# KiCad board Oblique Palette 0.5.1 PCB Main.kicad_pcb (continued)
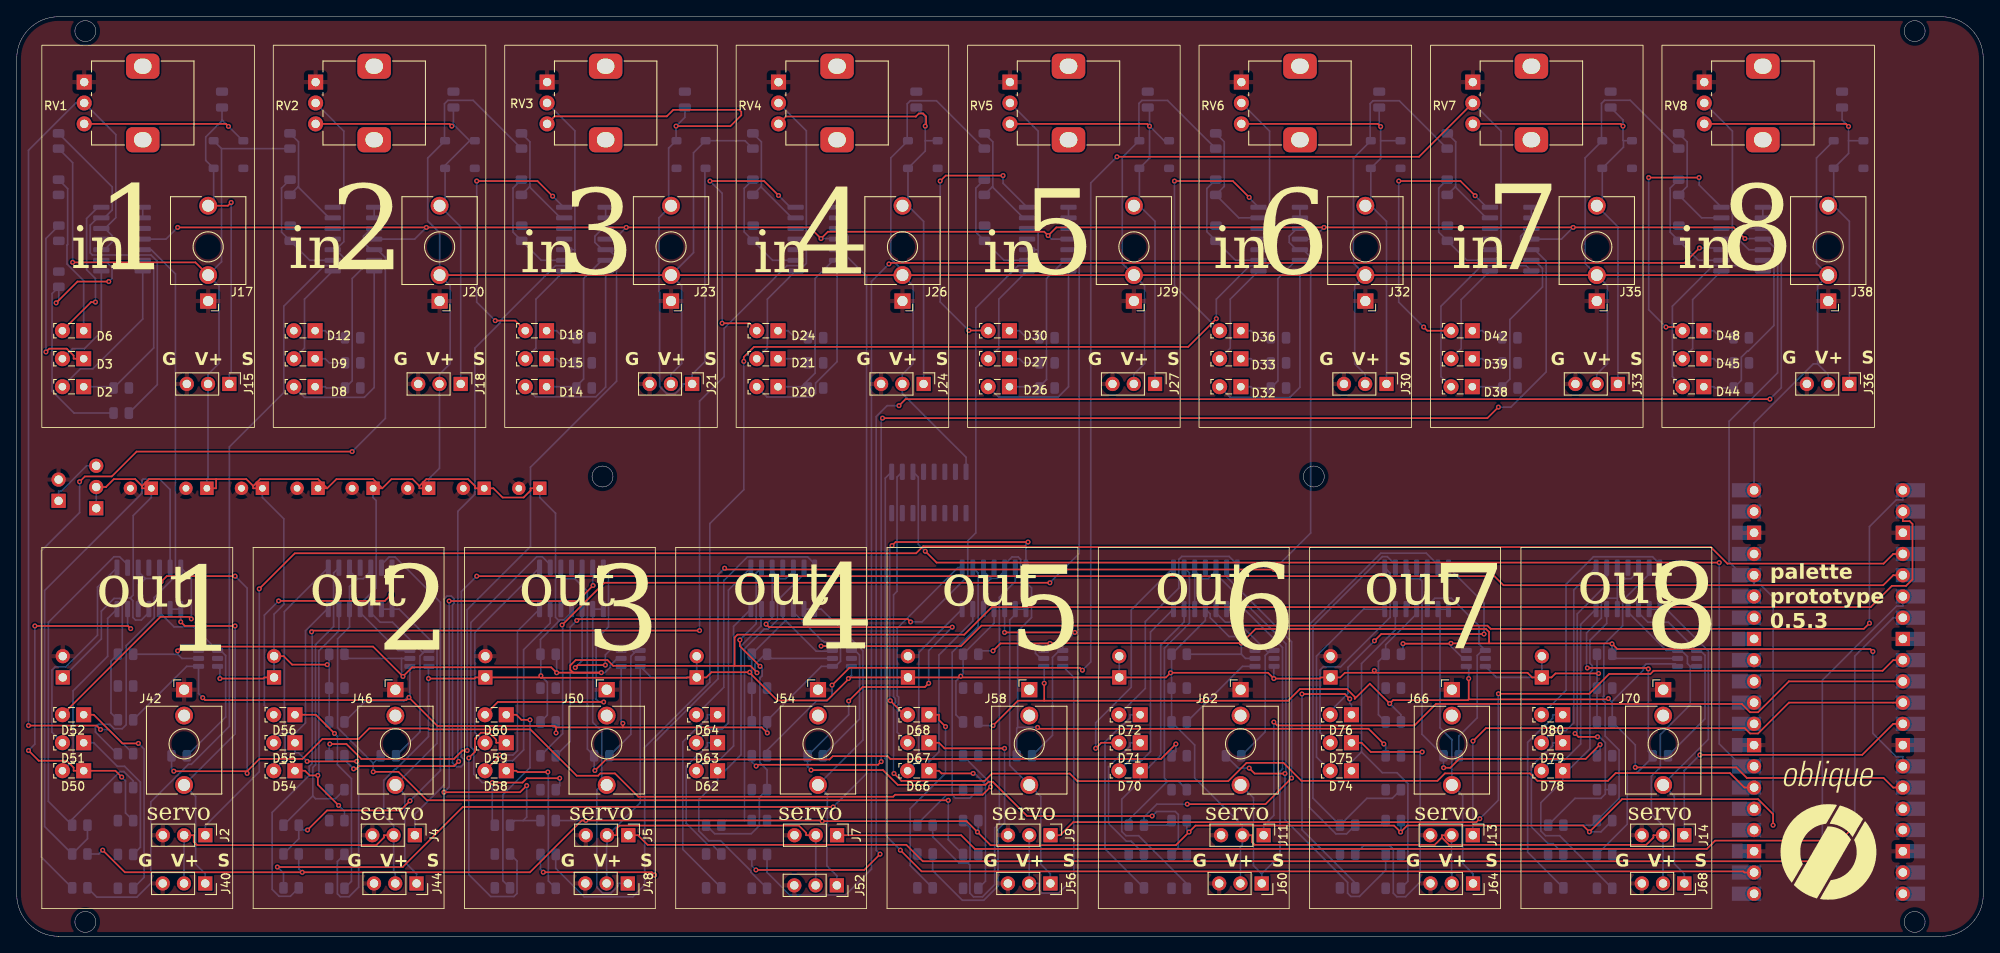
[diagram p0: board, top side]
## Library data of the parts
C1-C8 = -: Description: Polarized capacitor, small symbol; ki_fp_filters: CP_*
C9-C16 = -: Description: Unpolarized capacitor; ki_fp_filters: C_*
D2 D3 D6 D8 D9 D12 D14 D15 D18 D20 D21 D24 D26 D27 D30 D32 D33 D36 D38 D39 D42 D44 D45 D48 D50-D52 D54-D56 D58-D60 D62-D64 D66-D68 D70-D72 D74-D76 D78-D80 = -: Datasheet: http://www.osram-os.com/Graphics/XPic0/00203825_0.pdf; Description: 850nm High Power Infrared Emitter, Side-Emitter package; ki_fp_filters: LED*SideEmitter*Rectangular*W4.5mm*H1.6mm*
D4 D5 D10 D11 D16 D17 D22 D23 D28 D29 D34 D35 D40 D41 D46 D47 = -: Description: Diode; Sim.Device: D; Sim.Pins: 1=K 2=A; ki_fp_filters: TO-???* *_Diode_* *SingleDiode* D_*
J2 J4 J5 J7 J9 J11 J13-J15 J18 J21 J24 J27 J30 J33 J36 J40 J44 J48 J52 J56 J60 J64 J68 J71 = -: Description: Generic connector, single row, 01x03, script generated; ki_fp_filters: Connector*:*_1x??_*
J17 J20 J23 J26 J29 J32 J35 J38 J42 J46 J50 J54 J58 J62 J66 J70 = -: Description: Audio Jack, 2 Poles (Mono / TS), Switched T Pole (Normalling); ki_fp_filters: Jack*
J39 J43 J47 J51 J55 J59 J63 J67 J72 = -: Description: Generic connector, single row, 01x02, script generated; ki_fp_filters: Connector*:*_1x??_*
R3-R8 R11-R16 R19-R24 R27-R32 R35-R40 R43-R48 R51-R56 R59-R159 R168 = -: Description: Resistor; ki_fp_filters: R_*
RV1-RV8 = -: Description: Potentiometer with a mounting pin; ki_fp_filters: Potentiometer*
U1 = -: Datasheet: http://www.ti.com/lit/ds/symlink/cd4052b.pdf; Description: CMOS single 8-channel analog multiplexer demultiplexer, TSSOP-16/DIP-16/SOIC-16; ki_fp_filters: TSSOP*4.4x5mm*P0.65mm* DIP*W7.62* SOIC*3.9x9.9mm*P1.27mm* SO*5.3x10.2mm*P1.27mm*
U3-U10 U12 U14 U16 U18 U20 U22 U24 U26 = -: Datasheet: http://ww1.microchip.com/downloads/en/DeviceDoc/21733j.pdf; Description: 1MHz, Low-Power Op Amp, DIP-14/SOIC-14/TSSOP-14; ki_fp_filters: SOIC*3.9x8.7mm*P1.27mm* DIP*W7.62mm* TSSOP*4.4x5mm*P0.65mm* SSOP*5.3x6.2mm*P0.65mm* MSOP*3x3mm*P0.5mm*
U11 U13 U15 U17 U19 U21 U23 U25 = -: Datasheet: http://ww1.microchip.com/downloads/en/DeviceDoc/22039d.pdf; Description: 12-bit Digital-to-Analog Converter, integrated EEPROM, I2C interface, SOT-23-6; ki_fp_filters: SOT?23*

## Footprints (pads in the part's own frame, mm; a bottom-side part is the same pattern mirrored in y, then rotated)
C_0805_2012Metric
  rrect 1x1.45 smd: 1(-0.95,0) 2(0.95,0)
CP_Radial_D5.0mm_P2.50mm
  rect 1.6x1.6 hole 0.8: 1(0,0)
  round 1.6 hole 0.8: 2(2.5,0)
D_SOD-123
  rrect 0.9x1.2 smd: 1(-1.65,0) 2(1.65,0)
Jack_3.5mm_QingPu_WQP-PJ398SM_Vertical_CircularHoles
  rect 1.93x1.83 hole 1.22: S(0,0)
  round 2.13 hole 1.43: T(0,-11.4)
  round 2.13 hole 1.42: TN(0,-3.1)
LED_SideEmitter_Rectangular_W4.5mm_H1.6mm
  rect 1.8x1.8 hole 0.9: 1(0,0)
  round 1.8 hole 0.9: 2(2.54,0)
PinHeader_1x02_P2.54mm_Vertical
  rect 1.7x1.7 hole 1: 1(0,0)
  oval 1.7x1.7 hole 1: 2(0,-2.54)
PinHeader_1x03_P2.54mm_Vertical
  rect 1.7x1.7 hole 1: 1(0,0)
  oval 1.7x1.7 hole 1: 2(0,-2.54) 3(0,-5.08)
PinSocket_1x03_P2.54mm_Vertical
  rect 1.7x1.7 hole 1: 1(0,0)
  oval 1.7x1.7 hole 1: 2(0,-2.54) 3(0,-5.08)
Potentiometer_Alps_RK09K_Single_Vertical
  rect 1.8x1.8 hole 1: 1(0,0)
  round 1.8 hole 1: 2(0,-2.5) 3(0,-5)
  rrect 4x3 hole 2.1x1.8: MP(7,1.9) MP(7,-6.9)
R_0805_2012Metric
  rrect 1.025x1.4 smd: 1(-0.912,0) 2(0.912,0)
RPi_Pico_SMD_TH
  oval 1.7x1.7 hole 1.02: 1(-8.89,24.13) 2(-8.89,21.59) 4(-8.89,16.51) 5(-8.89,13.97) 6(-8.89,11.43) 7(-8.89,8.89) 9(-8.89,3.81) 10(-8.89,1.27) 11(-8.89,-1.27) 12(-8.89,-3.81) 14(-8.89,-8.89) 15(-8.89,-11.43) 16(-8.89,-13.97) 17(-8.89,-16.51) 19(-8.89,-21.59) 20(-8.89,-24.13) 21(8.89,-24.13) 22(8.89,-21.59) 24(8.89,-16.51) 25(8.89,-13.97) 26(8.89,-11.43) 27(8.89,-8.89) 29(8.89,-3.81) 30(8.89,-1.27) 31(8.89,1.27) 32(8.89,3.81) 34(8.89,8.89) 35(8.89,11.43) 36(8.89,13.97) 37(8.89,16.51) 39(8.89,21.59) 40(8.89,24.13)
  rect 3.5x1.7 smd: 1(-8.89,24.13) 2(-8.89,21.59) 3(-8.89,19.05) 4(-8.89,16.51) 5(-8.89,13.97) 6(-8.89,11.43) 7(-8.89,8.89) 8(-8.89,6.35) 9(-8.89,3.81) 10(-8.89,1.27) 11(-8.89,-1.27) 12(-8.89,-3.81) 13(-8.89,-6.35) 14(-8.89,-8.89) 15(-8.89,-11.43) 16(-8.89,-13.97) 17(-8.89,-16.51) 18(-8.89,-19.05) 19(-8.89,-21.59) 20(-8.89,-24.13) 21(8.89,-24.13) 22(8.89,-21.59) 23(8.89,-19.05) 24(8.89,-16.51) 25(8.89,-13.97) 26(8.89,-11.43) 27(8.89,-8.89) 28(8.89,-6.35) 29(8.89,-3.81) 30(8.89,-1.27) 31(8.89,1.27) 32(8.89,3.81) 33(8.89,6.35) 34(8.89,8.89) 35(8.89,11.43) 36(8.89,13.97) 37(8.89,16.51) 38(8.89,19.05) 39(8.89,21.59) 40(8.89,24.13)
  rect 1.7x1.7 hole 1.02: 3(-8.89,19.05) 8(-8.89,6.35) 13(-8.89,-6.35) 18(-8.89,-19.05) 23(8.89,-19.05) 28(8.89,-6.35) 33(8.89,6.35) 38(8.89,19.05)
SOIC-14_3.9x8.7mm_P1.27mm
  rrect 1.95x0.6 smd: 1(-2.475,3.81) 2(-2.475,2.54) 3(-2.475,1.27) 4(-2.475,0) 5(-2.475,-1.27) 6(-2.475,-2.54) 7(-2.475,-3.81) 8(2.475,-3.81) 9(2.475,-2.54) 10(2.475,-1.27) 11(2.475,0) 12(2.475,1.27) 13(2.475,2.54) 14(2.475,3.81)
SOIC-16_3.9x9.9mm_P1.27mm
  rrect 1.95x0.6 smd: 1(-2.475,4.445) 2(-2.475,3.175) 3(-2.475,1.905) 4(-2.475,0.635) 5(-2.475,-0.635) 6(-2.475,-1.905) 7(-2.475,-3.175) 8(-2.475,-4.445) 9(2.475,-4.445) 10(2.475,-3.175) 11(2.475,-1.905) 12(2.475,-0.635) 13(2.475,0.635) 14(2.475,1.905) 15(2.475,3.175) 16(2.475,4.445)
SOT-23-6
  rrect 1.325x0.6 smd: 1(-1.137,0.95) 2(-1.137,0) 3(-1.137,-0.95) 4(1.137,-0.95) 5(1.137,0) 6(1.137,0.95)

## Nets
+3.3V: R71.1 R82.1 R93.1 R104.1 R115.1 R126.1 R137.1 R148.1 U2.36 U3.4 U4.4 U5.4 U6.4 U7.4 U8.4 U9.4 U10.4
GNDREF: C1.2 C2.2 C3.2 C4.2 C5.2 C6.2 C7.2 C8.2 C9.2 C10.2 C11.2 C12.2 C13.2 C14.2 C15.2 C16.2 D5.2 D11.2 D17.2 D23.2 D29.2 D35.2 D41.2 D47.2 J2.3 J4.3 J5.3 J7.3 J9.3 J11.3 J13.3 J14.3 J15.3 J17.S J18.3 J20.S J21.3 J23.S J24.3 J26.S J27.3 J29.S J30.3 J32.S J33.3 J35.S J36.3 J38.S J39.2 J40.3 J42.S J44.3 J46.S J47.2 J48.3 J50.S J52.3 J54.S J55.2 J56.3 J58.S J60.3 J62.S J63.2 J64.3 J66.S J68.3 J70.S J72.2 R3.2 R4.1 R5.2 R7.2 R11.2 R12.1 R13.2 R15.2 R19.2 R20.1 R21.2 R23.2 R27.2 R28.1 R29.2 R31.2 R35.2 R36.1 R37.2 R39.2 R43.2 R44.1 R45.2 R47.2 R51.2 R52.1 R53.2 R55.2 R59.2 R60.1 R61.2 R63.2 R66.1 R66.2 R69.2 R73.2 R74.2 R75.2 R77.1 R80.2 R84.2 R85.2 R86.2 R88.1 R88.2 R91.2 R95.2 R96.2 R97.2 R99.1 R102.2 R106.2 R107.2 R108.2 R110.1 R110.2 R112.1 R113.2 R116.1 R117.2 R118.2 R119.2 R121.1 R123.1 R124.2 R127.1 R128.2 R129.2 R130.2 R132.1 R132.2 R134.1 R135.2 R138.1 R139.2 R140.2 R141.2 R143.1 R145.1 R146.2 R149.1 R150.2 R151.2 R152.2 RV1.1 RV2.1 RV3.1 RV4.1 RV5.1 RV6.1 RV7.1 RV8.1 U1.6 U1.7 U1.8 U2.3 U2.8 U2.13 U2.18 U2.23 U2.28 U2.38 U3.11 U4.11 U5.11 U6.11 U7.11 U8.11 U9.11 U10.11 U11.2 U11.6 U12.11 U13.2 U14.11 U15.2 U15.6 U16.11 U17.2 U18.11 U19.2 U19.6 U20.11 U21.2 U22.11 U23.2 U23.6 U24.11 U25.2 U26.11
/ANALOG_IN: U1.4
/ANALOG_IN_1: U1.1
/ANALOG_IN_2: U1.5
/ANALOG_IN_3: U1.13
/ANALOG_IN_4: U1.12
/ANALOG_IN_5: U1.15
/ANALOG_IN_6: U1.14
/ANALOG_IN_7: U1.2
/Input 1/ANALOG_PIN: U3.1 U3.2
/Input 2/ANALOG_PIN: U4.1 U4.2
/Input 3/ANALOG_PIN: U5.1 U5.2
/Input 4/ANALOG_PIN: U6.1 U6.2
/Input 5/ANALOG_PIN: U7.1 U7.2
/Input 6/ANALOG_PIN: U8.1 U8.2
/Input 7/ANALOG_PIN: U9.1 U9.2
/Input 8/ANALOG_PIN: U10.1 U10.2
ADC: U1.3
ADC_0: U1.11 U2.27
ADC_1: U1.10 U2.26
ADC_2: U1.9 U2.22
ANALOG_PIN: U2.34
SCL_0: R65.1 R76.1 R87.1 R98.1 U2.2 U11.5 U13.5 U15.5 U17.5
SCL_1: R111.1 R122.1 R133.1 R144.1 U2.15 U19.4 U21.4 U23.4 U25.4
SDA_0: R67.1 R78.1 R89.1 R100.1 U2.1 U11.4 U13.4 U15.4 U17.4
SDA_1: R109.1 R120.1 R131.1 R142.1 U2.14 U19.5 U21.5 U23.5 U25.5
SERVO_1: J2.1 U2.4
SERVO_2: J4.1 U2.5
SERVO_3: J5.1 U2.6
SERVO_4: J7.1 U2.7
SERVO_5: J9.1 U2.9
SERVO_6: J11.1 U2.10
SERVO_7: J13.1 U2.11
SERVO_8: J14.1 U2.12
V_SERVO: C1.1 C2.1 C3.1 C4.1 C5.1 C6.1 C7.1 C8.1 D4.1 D10.1 D16.1 D22.1 D28.1 D34.1 D40.1 D46.1 J2.2 J4.2 J5.2 J7.2 J9.2 J11.2 J13.2 J14.2 J15.2 J17.TN J18.2 J20.TN J21.2 J23.TN J24.2 J26.TN J27.2 J29.TN J30.2 J32.TN J33.2 J35.TN J36.2 J38.TN J39.1 J40.2 J43.1 J43.2 J44.2 J47.1 J48.2 J51.1 J51.2 J52.2 J55.1 J56.2 J59.1 J59.2 J60.2 J63.1 J64.2 J67.1 J67.2 J68.2 J71.1 J71.2 R8.2 R16.2 R24.2 R32.2 R40.2 R48.2 R56.2 R64.2 R65.2 R67.2 R76.2 R77.2 R78.2 R87.2 R89.2 R98.2 R99.2 R100.2 R109.2 R111.2 R120.2 R121.2 R122.2 R131.2 R133.2 R142.2 R143.2 R144.2 U1.16 U2.40 U11.3 U12.4 U13.3 U13.6 U14.4 U15.3 U16.4 U17.3 U17.6 U18.4 U19.3 U20.4 U21.3 U21.6 U22.4 U23.3 U24.4 U25.3 U25.6 U26.4
Net-(D2-A): D2.2 U3.7
Net-(D2-K): D2.1 R3.1 U3.6
Net-(D3-A): D3.2 U3.8
Net-(D3-K): D3.1 R5.1
Net-(D4-A): C9.1 D4.2 D5.1 J15.1 J17.T RV1.3
Net-(D6-A): D6.2 U3.14
Net-(D6-K): D6.1 R7.1
Net-(D8-A): D8.2 U4.7
Net-(D8-K): D8.1 R11.1 U4.6
Net-(D9-A): D9.2 U4.8
Net-(D9-K): D9.1 R13.1
Net-(D10-A): C10.1 D10.2 D11.1 J18.1 J20.T RV2.3
Net-(D12-A): D12.2 U4.14
Net-(D12-K): D12.1 R15.1
Net-(D14-A): D14.2 U5.7
Net-(D14-K): D14.1 R19.1 U5.6
Net-(D15-A): D15.2 U5.8
Net-(D15-K): D15.1 R21.1
Net-(D16-A): C11.1 D16.2 D17.1 J21.1 J23.T RV3.3
Net-(D18-A): D18.2 U5.14
Net-(D18-K): D18.1 R23.1
Net-(D20-A): D20.2 U6.7
Net-(D20-K): D20.1 R27.1 U6.6
Net-(D21-A): D21.2 U6.8
Net-(D21-K): D21.1 R29.1
Net-(D22-A): C12.1 D22.2 D23.1 J24.1 J26.T RV4.3
Net-(D24-A): D24.2 U6.14
Net-(D24-K): D24.1 R31.1
Net-(D26-A): D26.2 U7.7
Net-(D26-K): D26.1 R35.1 U7.6
Net-(D27-A): D27.2 U7.8
Net-(D27-K): D27.1 R37.1
Net-(D28-A): C13.1 D28.2 D29.1 J27.1 J29.T RV5.3
Net-(D30-A): D30.2 U7.14
Net-(D30-K): D30.1 R39.1
Net-(D32-A): D32.2 U8.7
Net-(D32-K): D32.1 R43.1 U8.6
Net-(D33-A): D33.2 U8.8
Net-(D33-K): D33.1 R45.1
Net-(D34-A): C14.1 D34.2 D35.1 J30.1 J32.T RV6.3
Net-(D36-A): D36.2 U8.14
Net-(D36-K): D36.1 R47.1
Net-(D38-A): D38.2 U9.7
Net-(D38-K): D38.1 R51.1 U9.6
Net-(D39-A): D39.2 U9.8
Net-(D39-K): D39.1 R53.1
Net-(D40-A): C15.1 D40.2 D41.1 J33.1 J35.T RV7.3
Net-(D42-A): D42.2 U9.14
Net-(D42-K): D42.1 R55.1
Net-(D44-A): D44.2 U10.7
Net-(D44-K): D44.1 R59.1 U10.6
Net-(D45-A): D45.2 U10.8
Net-(D45-K): D45.1 R61.1
Net-(D46-A): C16.1 D46.2 D47.1 J36.1 J38.T RV8.3
Net-(D48-A): D48.2 U10.14
Net-(D48-K): D48.1 R63.1
Net-(D50-A): D50.2 U12.7
Net-(D50-K): D50.1 R73.1 U12.6
Net-(D51-A): D51.2 U12.8
Net-(D51-K): D51.1 R74.1
Net-(D52-A): D52.2 U12.14
Net-(D52-K): D52.1 R75.1
Net-(D54-A): D54.2 U14.7
Net-(D54-K): D54.1 R84.1 U14.6
Net-(D55-A): D55.2 U14.8
Net-(D55-K): D55.1 R85.1
Net-(D56-A): D56.2 U14.14
Net-(D56-K): D56.1 R86.1
Net-(D58-A): D58.2 U16.7
Net-(D58-K): D58.1 R95.1 U16.6
Net-(D59-A): D59.2 U16.8
Net-(D59-K): D59.1 R96.1
Net-(D60-A): D60.2 U16.14
Net-(D60-K): D60.1 R97.1
Net-(D62-A): D62.2 U18.7
Net-(D62-K): D62.1 R106.1 U18.6
Net-(D63-A): D63.2 U18.8
Net-(D63-K): D63.1 R107.1
Net-(D64-A): D64.2 U18.14
Net-(D64-K): D64.1 R108.1
Net-(D66-A): D66.2 U20.7
Net-(D66-K): D66.1 R117.1 U20.6
Net-(D67-A): D67.2 U20.8
Net-(D67-K): D67.1 R118.1
Net-(D68-A): D68.2 U20.14
Net-(D68-K): D68.1 R119.1
Net-(D70-A): D70.2 U22.7
Net-(D70-K): D70.1 R128.1 U22.6
Net-(D71-A): D71.2 U22.8
Net-(D71-K): D71.1 R129.1
Net-(D72-A): D72.2 U22.14
Net-(D72-K): D72.1 R130.1
Net-(D74-A): D74.2 U24.7
Net-(D74-K): D74.1 R139.1 U24.6
Net-(D75-A): D75.2 U24.8
Net-(D75-K): D75.1 R140.1
Net-(D76-A): D76.2 U24.14
Net-(D76-K): D76.1 R141.1
Net-(D78-A): D78.2 U26.7
Net-(D78-K): D78.1 R150.1 U26.6
Net-(D79-A): D79.2 U26.8
Net-(D79-K): D79.1 R151.1
Net-(D80-A): D80.2 U26.14
Net-(D80-K): D80.1 R152.1
Net-(J40-Pin_1): J40.1 J42.T U12.1 U12.2
Net-(J44-Pin_1): J44.1 J46.T U14.1 U14.2
Net-(J48-Pin_1): J48.1 J50.T U16.1 U16.2
Net-(J52-Pin_1): J52.1 J54.T U18.1 U18.2
Net-(J56-Pin_1): J56.1 J58.T U20.1 U20.2
Net-(J60-Pin_1): J60.1 J62.T U22.1 U22.2
Net-(J64-Pin_1): J64.1 J66.T U24.1 U24.2
Net-(J68-Pin_1): J68.1 J70.T U26.1 U26.2
Net-(J71-Pin_3): J71.3 J72.1
Net-(U3A-+): R68.2 U3.3 U3.5
Net-(U3C-+): R68.1 RV1.2 U3.10 U3.12
Net-(U3C--): R4.2 R6.1 U3.9
Net-(U3D--): R6.2 R8.1 U3.13
Net-(U4A-+): R72.2 U4.3 U4.5
Net-(U4C-+): R72.1 RV2.2 U4.10 U4.12
Net-(U4C--): R12.2 R14.1 U4.9
Net-(U4D--): R14.2 R16.1 U4.13
Net-(U5A-+): R79.2 U5.3 U5.5
Net-(U5C-+): R79.1 RV3.2 U5.10 U5.12
Net-(U5C--): R20.2 R22.1 U5.9
Net-(U5D--): R22.2 R24.1 U5.13
Net-(U6A-+): R83.2 U6.3 U6.5
Net-(U6C-+): R83.1 RV4.2 U6.10 U6.12
Net-(U6C--): R28.2 R30.1 U6.9
Net-(U6D--): R30.2 R32.1 U6.13
Net-(U7A-+): R90.2 U7.3 U7.5
Net-(U7C-+): R90.1 RV5.2 U7.10 U7.12
Net-(U7C--): R36.2 R38.1 U7.9
Net-(U7D--): R38.2 R40.1 U7.13
Net-(U8A-+): R94.2 U8.3 U8.5
Net-(U8C-+): R94.1 RV6.2 U8.10 U8.12
Net-(U8C--): R44.2 R46.1 U8.9
Net-(U8D--): R46.2 R48.1 U8.13
Net-(U9A-+): R101.2 U9.3 U9.5
Net-(U9C-+): R101.1 RV7.2 U9.10 U9.12
Net-(U9C--): R52.2 R54.1 U9.9
Net-(U9D--): R54.2 R56.1 U9.13
Net-(U10A-+): R105.2 U10.3 U10.5
Net-(U10C-+): R105.1 RV8.2 U10.10 U10.12
Net-(U10C--): R60.2 R62.1 U10.9
Net-(U10D--): R62.2 R64.1 U10.13
Net-(U11-VOUT): R153.2 U11.1 U12.3
Net-(U12B-+): R112.2 R153.1 U12.5 U12.10 U12.12
Net-(U12C--): R69.1 R70.2 U12.9
Net-(U12D--): R70.1 R71.2 U12.13
Net-(U13-VOUT): R154.2 U13.1 U14.3
Net-(U14B-+): R116.2 R154.1 U14.5 U14.10 U14.12
Net-(U14C--): R80.1 R81.2 U14.9
Net-(U14D--): R81.1 R82.2 U14.13
Net-(U15-VOUT): R155.2 U15.1 U16.3
Net-(U16B-+): R123.2 R155.1 U16.5 U16.10 U16.12
Net-(U16C--): R91.1 R92.2 U16.9
Net-(U16D--): R92.1 R93.2 U16.13
Net-(U17-VOUT): R156.2 U17.1 U18.3
Net-(U18B-+): R127.2 R156.1 U18.5 U18.10 U18.12
Net-(U18C--): R102.1 R103.2 U18.9
Net-(U18D--): R103.1 R104.2 U18.13
Net-(U19-VOUT): R157.2 U19.1 U20.3
Net-(U20B-+): R134.2 R157.1 U20.5 U20.10 U20.12
Net-(U20C--): R113.1 R114.2 U20.9
Net-(U20D--): R114.1 R115.2 U20.13
Net-(U21-VOUT): R158.2 U21.1 U22.3
Net-(U22B-+): R138.2 R158.1 U22.5 U22.10 U22.12
Net-(U22C--): R124.1 R125.2 U22.9
Net-(U22D--): R125.1 R126.2 U22.13
Net-(U23-VOUT): R159.2 U23.1 U24.3
Net-(U24B-+): R145.2 R159.1 U24.5 U24.10 U24.12
Net-(U24C--): R135.1 R136.2 U24.9
Net-(U24D--): R136.1 R137.2 U24.13
Net-(U25-VOUT): R168.2 U25.1 U26.3
Net-(U26B-+): R149.2 R168.1 U26.5 U26.10 U26.12
Net-(U26C--): R146.1 R147.2 U26.9
Net-(U26D--): R147.1 R148.2 U26.13

Pads without a net: J42 TN; J46 TN; J50 TN; J54 TN; J58 TN; J62 TN; J66 TN; J70 TN; RV1 MP; RV2 MP; RV3 MP; RV4 MP; RV5 MP; RV6 MP; RV7 MP; RV8 MP; U2 16 17 19 20 21 24 25 29 30 31 32 33 35 37 39

## Via types
v1: diameter 0.6, hole 0.3, Top to Bottom, 206 vias

## Routing (per net, layer and track width the routed paths; a pad name or vN(x,y) marks a point on that pad's centre or on a via; arc(x,y) is an arc through that point)
+3.3V: length 528.9
  Top w0.2: v1(206.52,83.46) 205.18,84.8 v1(185.99,84.8) v1(156.21,84.8) 124.23,84.8 v1(123.25,83.82) 122.78,84.28 96.93,84.28 v1(96.11,83.46) 94.77,84.8 v1(72.84,84.8) 72.83,84.8 v1(48.95,84.8) 48.95,84.8 v1(19.23,84.8) ; v1(10.27,10.3) 12.92,7.65 v1(34.12,7.65) 61.32,7.65 67.52,13.86 v1(68.01,13.86) 96.17,13.86 v1(96.25,13.77) 113.5,13.77 v1(114.81,12.47) 116.38,10.9 138.52,10.9 v1(140.09,12.47) 140.86,13.24 164.59,13.24 v1(165.37,12.47) 166.15,13.25 187.18,13.25 v1(187.94,12.49) 191.84,16.4 208.09,16.4 209.88,14.61 v1(209.88,13.28)
  Bottom w0.2: U4.4 47.56,83.4 v1(48.95,84.8) ; v1(34.12,7.65) 33.7,8.07 R82.1 ; U7.4 123.67,83.4 v1(123.25,83.82) ; v1(68.01,13.86) 67.99,13.84 R93.1 ; v1(96.11,83.46) 97.97,83.46 U6.4 ; U8.4 154.82,83.4 v1(156.21,84.8) ; v1(19.23,84.8) 17.84,83.4 U3.4 ; v1(96.25,13.77) 96.19,13.84 R104.1 ; v1(209.88,13.28) 209.88,40.56 208.4,42.04 207.61,42.04 U2.36 206.22,43.19 204.62,44.79 204.62,61.6 210.42,67.4 210.42,82.03 209.05,83.4 U10.4 208.6,83.46 v1(206.52,83.46) ; v1(185.99,84.8) 184.59,83.4 U9.4 ; R137.1 165.41,12.51 v1(165.37,12.47) ; v1(10.27,10.3) 9.81,9.84 R71.1 ; v1(140.09,12.47) 139.82,12.73 R126.1 ; v1(114.81,12.47) 114.91,12.57 R115.1 ; R148.1 189.31,12.49 v1(187.94,12.49) ; U5.4 71.44,83.4 v1(72.84,84.8)
/Input 1/ANALOG_PIN: length 1.3
  Bottom w0.2: U3.2 U3.1
/Input 2/ANALOG_PIN: length 1.3
  Bottom w0.2: U4.2 U4.1
/Input 3/ANALOG_PIN: length 1.3
  Bottom w0.2: U5.2 U5.1
/Input 4/ANALOG_PIN: length 1.3
  Bottom w0.2: U6.2 U6.1
/Input 5/ANALOG_PIN: length 1.3
  Bottom w0.2: U7.2 U7.1
/Input 6/ANALOG_PIN: length 1.3
  Bottom w0.2: U8.2 U8.1
/Input 7/ANALOG_PIN: length 1.3
  Bottom w0.2: U9.2 U9.1
/Input 8/ANALOG_PIN: length 1.3
  Bottom w0.2: U10.2 U10.1
ADC_0: length 132.5
  Top w0.2: v1(108.57,46.06) 109.93,44.7 v1(203.45,44.7)
  Bottom w0.2: U2.27 206.13,20.33 203.45,23.02 v1(203.45,44.7) ; v1(108.57,46.06) 107.73,46.9 107.73,54.93 U1.11
ADC_1: length 144.2
  Top w0.2: U2.26 206.46,17.79 204.72,19.52 191.07,19.52 190.14,18.6 181.71,18.6 180.82,19.49 170.67,19.49 169.78,18.6 153.52,18.6 151.37,20.75 146.97,20.75 144.78,18.56 126.74,18.56 125.84,19.47 116.54,19.47 115.68,18.6 105.71,18.6 v1(104.83,19.47)
  Bottom w0.2: U1.10 105.2,54.94 105.2,41.26 104.78,40.85 104.78,28.64 104.99,28.43 104.99,27.93 104.78,27.72 104.78,19.53 v1(104.83,19.47)
ADC_2: length 149.5
  Top w0.2: v1(105.59,10.3) 108.13,7.77 206.32,7.77 206.46,7.63 U2.22
  Bottom w0.2: U1.9 103.79,54.8 103.79,21.26 103.91,21.14 103.91,11.99 v1(105.59,10.3)
SCL_0: length 272
  Top w0.2: 85.79,32.35 85.79,35.75 86.12,36.08 113.23,36.08 116.52,39.38 221.54,39.38 224.08,41.92 225.77,41.92 226.54,42.69 226.54,49.32 226.2,49.66 225.39,49.66 U2.2 ; 85.79,32.35 71.28,32.35 70.59,33.04 66.79,33.04 66.14,32.39 66.14,31.89 66.5,31.53 v1(69.86,31.53) 64.53,31.53 v1(64.52,31.52) 63.87,32.18 47.24,32.18 v1(46.15,31.08) 42.58,34.66 19.75,34.66 v1(19.23,34.14) ; 85.79,32.35 87.67,32.35 88.46,31.57 v1(88.46,31.52)
  Bottom w0.2: R87.1 64.52,33.63 v1(64.52,31.52) ; U11.5 19.73,33.24 19.23,33.74 ; 45.98,33.24 39.66,33.24 R76.1 ; 45.98,33.24 46.98,33.24 ; 45.98,33.24 45.98,31.25 v1(46.15,31.08) ; R65.1 19.23,33.74 ; 19.23,33.74 v1(19.23,34.14) ; U15.5 71.78,33.24 70.94,32.41 70.94,32.19 70.28,31.53 v1(69.86,31.53) ; U17.5 90.16,33.24 R98.1 89.42,33.74 88.22,32.55 88.22,31.76 v1(88.46,31.52)
SCL_1: length 155
  Top w0.2: 122.78,28.18 119.65,28.18 v1(116.67,25.2) ; 122.78,28.18 v1(141.58,28.18) 151.94,28.18 153.33,29.58 158.96,29.58 159.89,28.64 159.89,28.41 161.7,30.21 v1(164.07,27.84) 164.47,28.24 173.41,28.24 173.51,28.34 ; 122.78,28.18 v1(122.78,30.27) ; 173.51,28.34 190.11,28.34 v1(190.2,28.44) ; 173.51,28.34 v1(173.51,30.83) ; U2.15 224.24,17.79 223.09,18.94 206.74,18.94 205.48,20.2 v1(193.42,20.2)
  Bottom w0.2: v1(122.78,30.27) 122.78,32.23 122.72,32.29 ; 141.97,27.79 R122.1 ; 141.97,27.79 v1(141.58,28.18) ; 141.97,27.79 146.47,32.29 U21.4 ; v1(116.67,25.2) 115.35,25.2 R111.1 ; 190.59,28.05 194.37,31.82 194.37,32.23 194.73,32.59 198.18,32.59 U25.4 ; 190.59,28.05 190.66,27.98 R144.1 193.42,22.89 v1(193.42,20.2) ; 190.59,28.05 v1(190.2,28.44) ; 173.22,32.29 173.51,32 v1(173.51,30.83) ; R133.1 165.41,26.5 v1(164.07,27.84)
SDA_0: length 268
  Top w0.2: v1(22.23,28.54) 22.51,28.25 46.55,28.25 v1(46.87,28.57) 50.28,25.16 64.28,25.16 64.45,24.99 ; 64.45,24.99 v1(64.45,24.33) ; 64.45,24.99 72.43,24.99 ; v1(89.69,24.33) 89.03,24.99 72.43,24.99 ; 72.43,24.99 v1(72.43,25.47) ; v1(221.4,37.45) 220.73,36.78 176.13,36.78 175.75,37.16 115.28,37.16 112.82,34.71 v1(96.12,34.71)
  Bottom w0.2: R78.1 41.69,28.17 46.26,28.17 46.76,28.67 ; v1(46.87,28.57) 46.76,28.67 ; 46.76,28.67 46.98,28.88 46.98,32.29 ; v1(64.45,24.33) 64.41,24.36 R89.1 ; v1(22.23,28.54) 21.73,29.04 U11.4 20.31,32.29 R67.1 ; v1(89.69,24.33) 89.66,24.36 R100.1 89.66,25.79 96.16,32.29 U17.4 97.84,32.29 98.44,32.89 98.44,34.53 98.17,34.79 96.78,34.79 96.69,34.71 v1(96.12,34.71) ; U15.4 72.22,25.68 v1(72.43,25.47) ; v1(221.4,37.45) 221.4,49 224.6,52.2 225.39,52.2 U2.1
SDA_1: length 163
  Top w0.2: v1(221.81,34.06) 221.51,34.36 191.26,34.36 v1(190.63,34.99) 190.58,35.04 175.94,35.04 ; v1(165.66,35) 171.35,35 v1(171.39,35.04) 175.94,35.04 ; v1(116.67,34.14) 117.55,35.03 v1(123.46,35.03) 123.5,35.07 v1(146.34,35.07) 148.03,36.76 175.59,36.76 175.94,36.41 175.94,35.04
  Bottom w0.2: v1(190.63,34.99) 190.63,33.77 R142.1 191.16,33.24 U25.5 ; 146.34,33.74 146.84,33.24 U21.5 ; 146.34,33.74 v1(146.34,35.07) ; 146.34,33.74 R120.1 ; v1(116.67,34.14) 115.32,34.14 R109.1 ; R131.1 165.66,33.99 v1(165.66,35) ; 173.22,33.24 172.84,33.24 171.39,34.69 v1(171.39,35.04) ; v1(123.46,35.03) 122.22,35.03 121.74,34.55 121.74,33.86 122.36,33.24 122.72,33.24 ; U2.14 225.39,21.48 224.6,21.48 221.81,24.27 v1(221.81,34.06)
SERVO_1: length 232
  Top w0.2: v1(28.98,41.56) 33.23,45.81 107.47,45.81 108.32,46.66 120.49,46.66 120.6,46.56 202.44,46.56 204.43,44.58 223.08,44.58 224.24,45.73 U2.4
  Bottom w0.2: J2.1 22.54,13.24 28.98,19.68 v1(28.98,41.56)
SERVO_2: length 247.3
  Top w0.2: v1(54.97,43.08) 176.57,43.08 177.66,41.99 223.04,41.99 224.24,43.19 U2.5
  Bottom w0.2: J4.1 47.58,14.61 51.06,18.09 51.06,40.34 51.42,40.7 51.92,40.7 52.27,40.35 52.27,39.85 52.07,39.65 52.07,20.74 52.53,20.28 53.08,20.28 53.41,20.61 53.41,21.17 53.13,21.45 53.13,41.25 v1(54.97,43.08)
SERVO_3: length 179.4
  Top w0.2: v1(215.77,10.08) 214.67,8.97 108.27,8.97 106.31,10.94 75.38,10.94 74.23,12.09 J5.1
  Bottom w0.2: U2.6 225.39,39.5 224.64,39.5 215.77,30.63 v1(215.77,10.08)
SERVO_4: length 151.4
  Top w0.2: J7.1 112.85,12.09 114.49,10.45 201.96,10.45 202.95,11.44 217.88,11.44 v1(219.65,13.2)
  Bottom w0.2: U2.7 224.24,38.11 219.65,33.52 v1(219.65,13.2)
SERVO_5: length 118
  Top w0.2: U2.9 224.24,33.03 222.97,31.76 195.6,31.76 195.22,31.38 190.3,31.38 187.93,29.01 v1(177.06,29.01) ; J9.1 124.69,12.09 126.25,13.65 174.43,13.65 v1(174.84,14.06)
  Bottom w0.2: v1(174.84,14.06) 177.06,16.29 v1(177.06,29.01)
SERVO_6: length 92.4
  Top w0.2: U2.10 211.78,30.49 208.09,26.8 207.13,26.8 206.14,27.79 169.59,27.79 167.03,25.23 150.62,25.23 v1(150.22,25.62)
  Bottom w0.2: J11.1 149,13.24 150.22,14.47 v1(150.22,25.62)
SERVO_7: length 65.1
  Top w0.2: U2.11 211.78,27.95 208.09,24.26 207.13,24.26 206.49,24.9 175.57,24.9 v1(174.02,23.35)
  Bottom w0.2: J13.1 174,23.32 v1(174.02,23.35)
SERVO_8: length 36.2
  Top w0.2: v1(201.14,21.7) 220.53,21.7 224.24,25.41 U2.12
  Bottom w0.2: J14.1 199.27,19.83 v1(201.14,21.7)
V_SERVO: length 1370.5
  Top w0.2: v1(37.1,32.49) 32.91,32.49 31.9,33.5 30.75,33.5 ; 112.8,30.97 v1(112.8,31.12) ; 112.8,30.97 J59.1 137.33,30.97 v1(137.88,31.52) 149.54,31.52 v1(150.22,30.83) 155.71,30.83 155.85,30.97 J63.1 158.15,30.97 158.71,31.52 162.23,31.52 ; 112.8,30.97 J55.1 99.52,30.97 v1(99.38,30.83) 99.38,30.75 96.85,28.22 90.88,28.22 87.58,31.52 v1(87.58,31.59) 83.02,31.59 82.4,30.97 J51.1 80.1,30.97 80.06,30.92 62.68,30.92 62.63,30.97 ; C7.1 43.68,53.59 ; 43.68,53.59 42.58,54.69 38.2,54.69 37.1,53.59 ; 43.68,53.59 44.78,54.69 47.29,54.69 48.12,53.87 ; 23.82,54.69 27.43,54.69 28.26,53.87 ; 23.82,54.69 15.81,54.69 14.98,53.87 ; 23.82,54.69 23.82,53.59 C6.1 ; C8.1 14.98,53.59 14.98,53.87 ; 48.12,53.87 48.95,54.69 53.93,54.69 54.76,53.87 54.76,53.59 C3.1 56.96,53.59 58.06,52.49 60.57,52.49 61.4,53.31 61.4,53.59 C1.1 ; 48.12,53.87 48.12,53.59 C5.1 ; J7.2 94.33,12.09 94.33,12.38 93.47,13.24 72.03,13.24 71.69,12.9 71.69,12.09 J5.2 ; v1(24.28,30.83) 29.46,30.83 29.6,30.97 J43.1 ; 28.26,53.87 28.26,53.59 C4.1 ; 28.26,53.87 29.08,54.69 36,54.69 37.1,53.59 ; 37.1,53.59 C2.1 ; 162.23,31.52 180.54,31.52 181.1,30.97 J67.1 183.4,30.97 183.88,31.44 v1(189.03,31.44) ; 162.23,31.52 v1(162.23,31.79) ; 14.98,53.87 14.15,54.69 11.61,54.69 10.65,53.74 J71.2 ; 170.31,11.8 171.17,10.94 194.72,10.94 195.58,11.8 195.58,12.09 J14.2 ; 170.31,11.8 170.31,12.09 J13.2 ; 170.31,11.8 169.44,10.94 147.95,10.94 147.61,11.28 147.61,12.09 J11.2 ; J38.TN J35.TN J32.TN J29.TN J26.TN J23.TN J20.TN ; v1(49.2,30.83) 54.71,30.83 54.85,30.97 J47.1 62.63,30.97 ; v1(6.68,80.62) 21.35,80.62 J17.TN ; 62.63,30.97 v1(62.63,31.16) ; J2.2 21.15,12.09 21.15,11.3 21.55,10.9 42.96,10.9 43.89,11.82 43.89,12.09 J4.2
  Bottom w0.2: 199.99,32.29 199.99,27.7 196.41,24.13 196.41,20.21 195.34,19.14 195.34,14.63 196.73,13.24 J14.2 196.73,7.48 196.74,7.47 J68.2 ; 199.99,32.29 199.65,32.63 199.65,33.46 198.92,34.19 U25.6 197.13,34.19 192.54,38.78 U26.4 ; 199.99,32.29 U25.3 ; R133.2 162.72,26.51 162.72,31.79 ; R64.2 192.82,100 189.74,100 189.38,99.63 189.38,95.26 D40.1 187.42,93.11 187.42,80.49 J35.TN 190.09,77.82 190.09,68.51 188.8,67.22 J33.2 ; U19.3 126.32,30.97 ; 126.32,30.97 126.32,6.97 124.51,5.15 122.51,5.15 122.14,5.53 122.14,6.32 J56.2 120.99,10.92 121,10.94 J9.2 ; 126.32,30.97 J59.1 131.75,33.5 ; 64.81,37.73 64.38,38.16 64.38,50.6 62.5,52.49 C1.1 ; 64.81,37.73 62.59,35.51 R87.2 62.63,33.7 v1(62.63,31.16) 63.41,30.39 63.41,26.46 R89.2 ; 64.81,37.73 64.92,37.84 65.42,37.84 66.29,38.72 U16.4 ; C5.1 49.22,54.69 50.52,55.99 J18.2 50.52,67.22 51.8,68.5 51.8,77.82 J20.TN 50.53,84.16 49.11,85.58 49.11,93.09 D10.1 51.11,95.24 51.11,99.58 51.52,99.99 54.54,99.99 R24.2 ; 24.47,94.22 24.47,80.69 J17.TN 24.17,77.79 24.17,68.53 22.86,67.22 J15.2 22.86,54.83 22.72,54.69 C6.1 ; 24.47,94.22 D4.1 ; 24.47,94.22 R16.2 ; v1(87.58,31.59) 87.82,31.59 ; 87.82,31.59 87.84,31.57 R99.2 R100.2 ; 87.82,31.59 87.82,33.72 R98.2 91.86,37.77 ; U21.3 150.22,32.26 v1(150.22,30.83) ; J27.2 133.49,67.22 134.77,68.51 134.77,77.82 J29.TN 132.11,80.48 132.11,93.17 134.1,95.17 ; 188.84,31.44 R143.2 R144.2 ; 188.84,31.44 R142.2 ; 188.84,31.44 v1(189.03,31.44) ; R48.2 137.52,99.99 134.46,99.99 134.1,99.63 134.1,95.17 ; v1(99.38,30.83) 99.75,31.2 U17.3 ; J44.2 45.23,7.47 45.04,7.67 J4.2 45.04,13.24 43.85,14.43 43.85,18.65 45.23,20.03 45.34,20.03 49.2,23.89 v1(49.2,30.83) 49.2,32.24 U13.3 ; R56.2 165.22,99.95 162.08,99.95 161.73,99.6 161.73,95.25 D34.1 159.74,93.09 159.74,80.51 J32.TN 159.89,77.82 159.89,68.47 161.15,67.22 J30.2 ; 12.61,40.12 12.32,40.42 11.64,40.42 10.11,38.9 10.11,35.58 J39.1 ; 12.61,40.12 12.61,34.27 R65.2 11.26,32.91 11.26,26.72 R67.2 ; 12.61,40.12 12.95,40.46 13.57,40.46 ; U12.4 15.79,38.73 14.89,37.83 14.19,37.83 13.89,38.14 13.89,40.14 13.57,40.46 ; U18.4 91.54,38.09 91.86,37.77 ; 13.57,40.46 13.92,40.81 13.92,50.33 16.08,52.49 C8.1 ; J64.2 171.49,7.47 171.46,7.5 J13.2 ; 215.21,68.47 214.69,68.47 207.61,61.39 U2.40 ; 215.21,68.47 216.46,67.22 J36.2 ; 215.21,68.47 215.21,77.82 J38.TN 215.07,80.49 215.07,93.11 D46.1 ; U1.16 113.44,57.3 105.83,64.92 105.83,67.22 107.12,68.51 107.12,77.82 J26.TN 105.85,79.66 104.45,81.05 104.45,93.12 D22.1 106.41,95.26 106.41,99.58 106.78,99.95 109.9,99.95 R40.2 ; J43.1 30.75,38.53 31.92,39.7 31.92,49.93 29.36,52.49 C4.1 ; 162.72,31.79 162.72,32.87 R131.2 163.59,34.87 167.29,38.57 U24.4 ; 162.72,31.79 v1(162.23,31.79) ; J60.2 146.24,10.71 146.46,10.94 J11.2 146.46,13.24 140.76,18.94 140.76,22.88 R122.2 R121.2 138,31.52 ; J5.2 70.54,12 ; 70.54,12 74.5,15.96 U15.3 75.83,30.97 J51.1 81.25,33.5 ; 70.54,12 70.54,10.94 70.48,10.88 J48.2 ; J2.2 20,10.94 19.98,10.92 J40.2 ; J7.2 95.48,7.27 95.46,7.24 J52.2 ; R111.2 112.23,26.49 112.23,30.54 v1(112.8,31.12) 113.09,31.4 R109.2 116.79,37.44 U20.4 ; U11.3 24.28,32.01 v1(24.28,30.83) ; U21.6 147.97,34.35 146.47,35.86 144.87,35.86 142.61,38.12 142.61,38.57 U22.4 142.04,37.78 R120.2 138,31.52 ; 91.86,37.77 95.53,34.11 97.39,34.11 U17.6 ; 134.1,95.17 D28.1 ; J71.2 J71.1 ; 46.98,34.19 45.57,34.19 41.04,38.72 U14.4 41.04,39.74 42.95,41.65 42.95,52.12 42.58,52.49 C7.1 ; 37.34,32.49 v1(37.1,32.49) ; 37.34,32.49 R77.2 R78.2 ; 37.34,32.49 R76.2 ; 182.25,33.5 J67.1 176.82,30.97 U23.3 ; 138,31.52 v1(137.88,31.52) ; v1(6.68,80.62) 6.68,92.54 R8.2 ; J21.2 78.17,67.22 79.46,68.51 79.46,77.82 J23.TN 80.88,81.78 80.88,93.73 D16.1 87.03,95.17 R32.2
Net-(D2-A): length 18.7
  Bottom w0.2: D2.2 7.61,67.89 9.1,67.89 15.06,73.85 U3.7
Net-(D2-K): length 21.7
  Bottom w0.2: D2.1 11.43,65.74 R3.1 16.37,70.38 16.37,79.95 15.46,80.86 U3.6
Net-(D3-A): length 13.3
  Bottom w0.2: D3.2 6.66,70.29 8.09,70.29 10.11,72.31 U3.8
Net-(D3-K): length 21.1
  Top w0.2: v1(3.49,69.9) 3.88,70.29 5.97,70.29 6.8,69.47 6.8,69.09 D3.1
  Bottom w0.2: v1(3.49,69.9) 3.49,83.47 R5.1
Net-(D4-A): length 58.8
  Top w0.2: RV1.3 25,97.18 v1(25.3,96.88) ; J17.T 25.24,87.39 v1(25.62,87.78)
  Bottom w0.2: D5.1 27.02,95.17 v1(25.3,96.88) 24.58,97.61 ; J17.T 23.53,88.04 D4.2 22.59,92.81 22.59,95.61 24.58,97.61 ; C9.1 24.53,97.65 24.58,97.61 ; v1(25.62,87.78) 25.62,67.45 25.4,67.22 J15.1
Net-(D6-A): length 18.1
  Top w0.2: D6.2 8.88,75.86 v1(9.41,75.86)
  Bottom w0.2: v1(9.41,75.86) 9.41,78.67 8.35,79.73 8.35,85.86 9.7,87.21 U3.14
Net-(D6-K): length 19.4
  Bottom w0.2: R7.1 6.09,89.43 6.09,82.75 6.01,82.67 6.01,80.41 8,78.42 D6.1
Net-(D8-A): length 24.6
  Bottom w0.2: U4.7 42.72,65.65 41.54,64.47 34.39,64.47 D8.2
Net-(D8-K): length 20.6
  Bottom w0.2: D8.1 36.86,65.74 37.01,65.59 R11.1 40.09,66.44 40.09,78.68 42.26,80.86 U4.6
Net-(D9-A): length 12.4
  Bottom w0.2: D9.2 34.39,70.36 34.39,76.21 U4.8
Net-(D9-K): length 3.8
  Bottom w0.2: D9.1 36.86,69.09 37.36,68.59 R13.1
Net-(D10-A): length 53.7
  Top w0.2: RV2.3 51.72,97.18 v1(51.99,96.91)
  Bottom w0.2: 52.19,97.11 C10.1 ; 52.19,97.11 v1(51.99,96.91) ; 52.19,97.11 54.13,95.17 ; 54.13,95.17 51.19,92.22 D10.2 51.19,88.04 J20.T 53.06,84.87 J18.1 ; 54.13,95.17 D11.1
Net-(D12-K): length 3.9
  Bottom w0.2: R15.1 37.71,71.59 36.86,72.44 D12.1
Net-(D14-A): length 24.5
  Bottom w0.2: U5.7 70.37,65.7 69.21,64.54 61.98,64.54 D14.2
Net-(D14-K): length 20.5
  Bottom w0.2: R19.1 66.89,65.66 66.82,65.74 ; U5.6 69.92,80.86 67.74,78.68 67.74,66.66 66.82,65.74 ; 66.82,65.74 D14.1
Net-(D15-A): length 12.4
  Bottom w0.2: D15.2 62.04,70.36 62.04,76.21 U5.8
Net-(D15-K): length 3.8
  Bottom w0.2: D15.1 64.52,69.09 65.02,68.59 R21.1
Net-(D16-A): length 99.1
  Top w0.2: v1(78.79,96.91) 85.28,96.91 86.59,98.21 86.59,98.63 86.35,98.86 78.46,98.86 77.68,98.08 64.28,98.08 RV3.3
  Bottom w0.2: C11.1 79.84,97.97 v1(78.79,96.91) 78.79,95.17 ; 78.79,95.17 77.9,94.28 77.9,87.67 J23.T 76.74,85.94 76.74,77.14 76.82,77.06 76.82,65.76 77.68,64.91 78.69,64.91 79.56,65.78 79.56,66.07 J21.1 80.71,67.22 82.23,68.74 82.23,91.79 D16.2 ; 78.79,95.17 D17.1
Net-(D18-A): length 33.5
  Top w0.2: D18.2 59.57,73.65 v1(57.18,73.65) ; v1(64.04,88.53) 62.23,90.34 v1(54.97,90.34)
  Bottom w0.2: v1(57.18,73.65) 54.97,75.86 v1(54.97,90.34) ; U5.14 65.36,87.21 v1(64.04,88.53)
